# KiCad board Module_16S.kicad_pcb
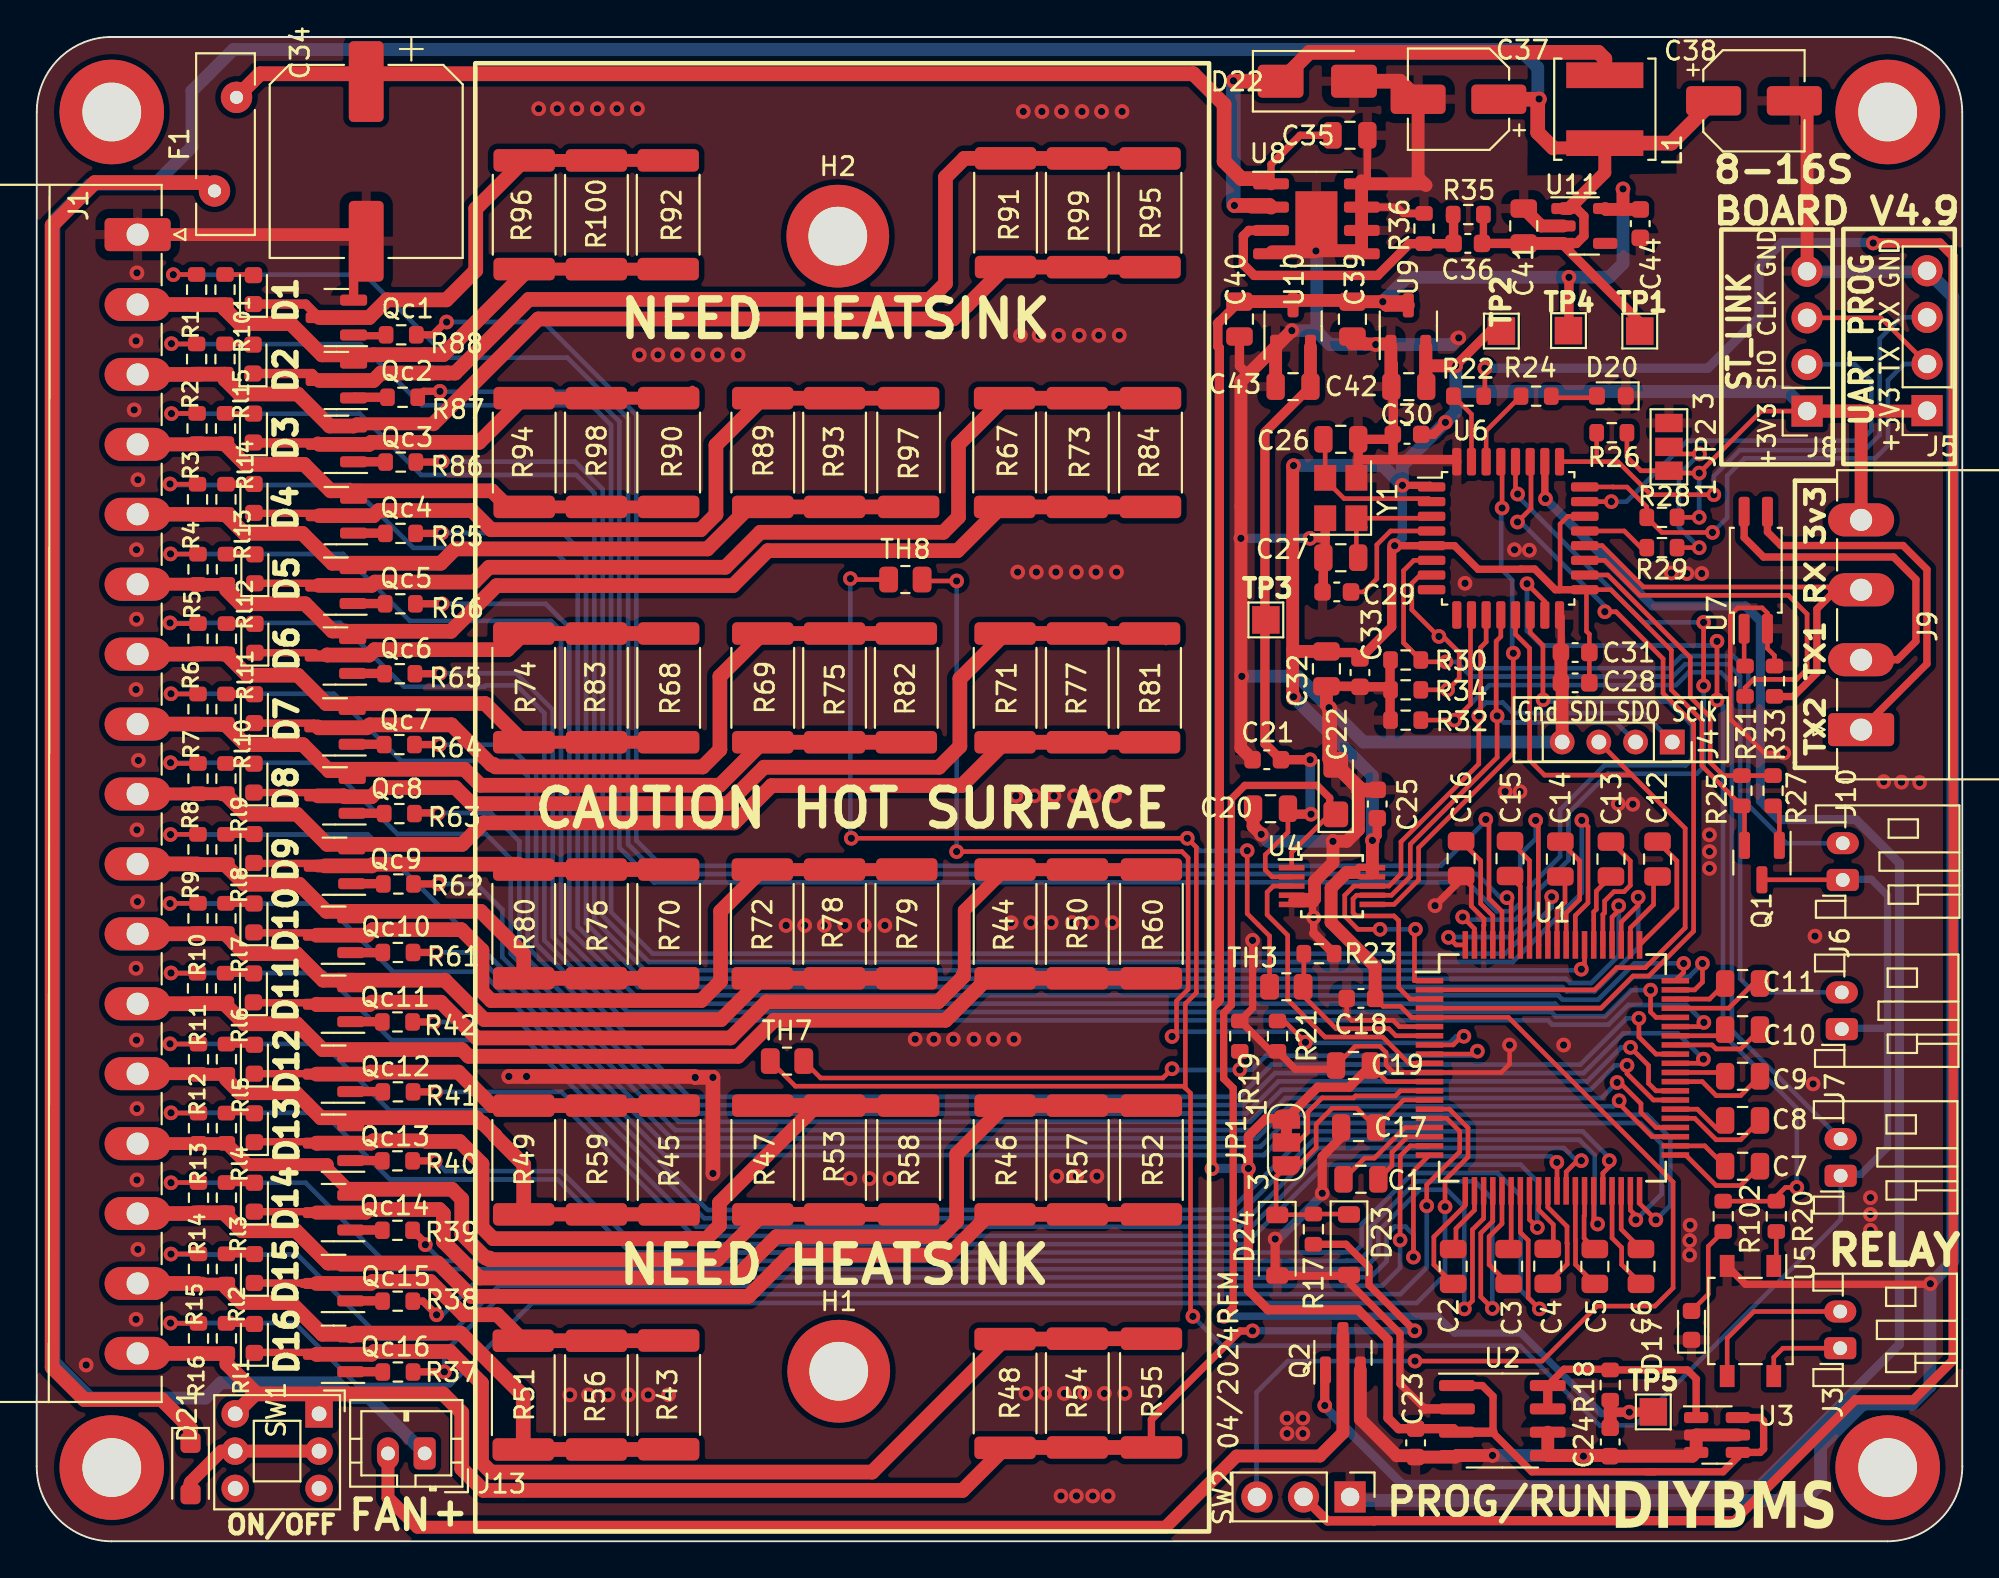
[diagram p0: board, top side]
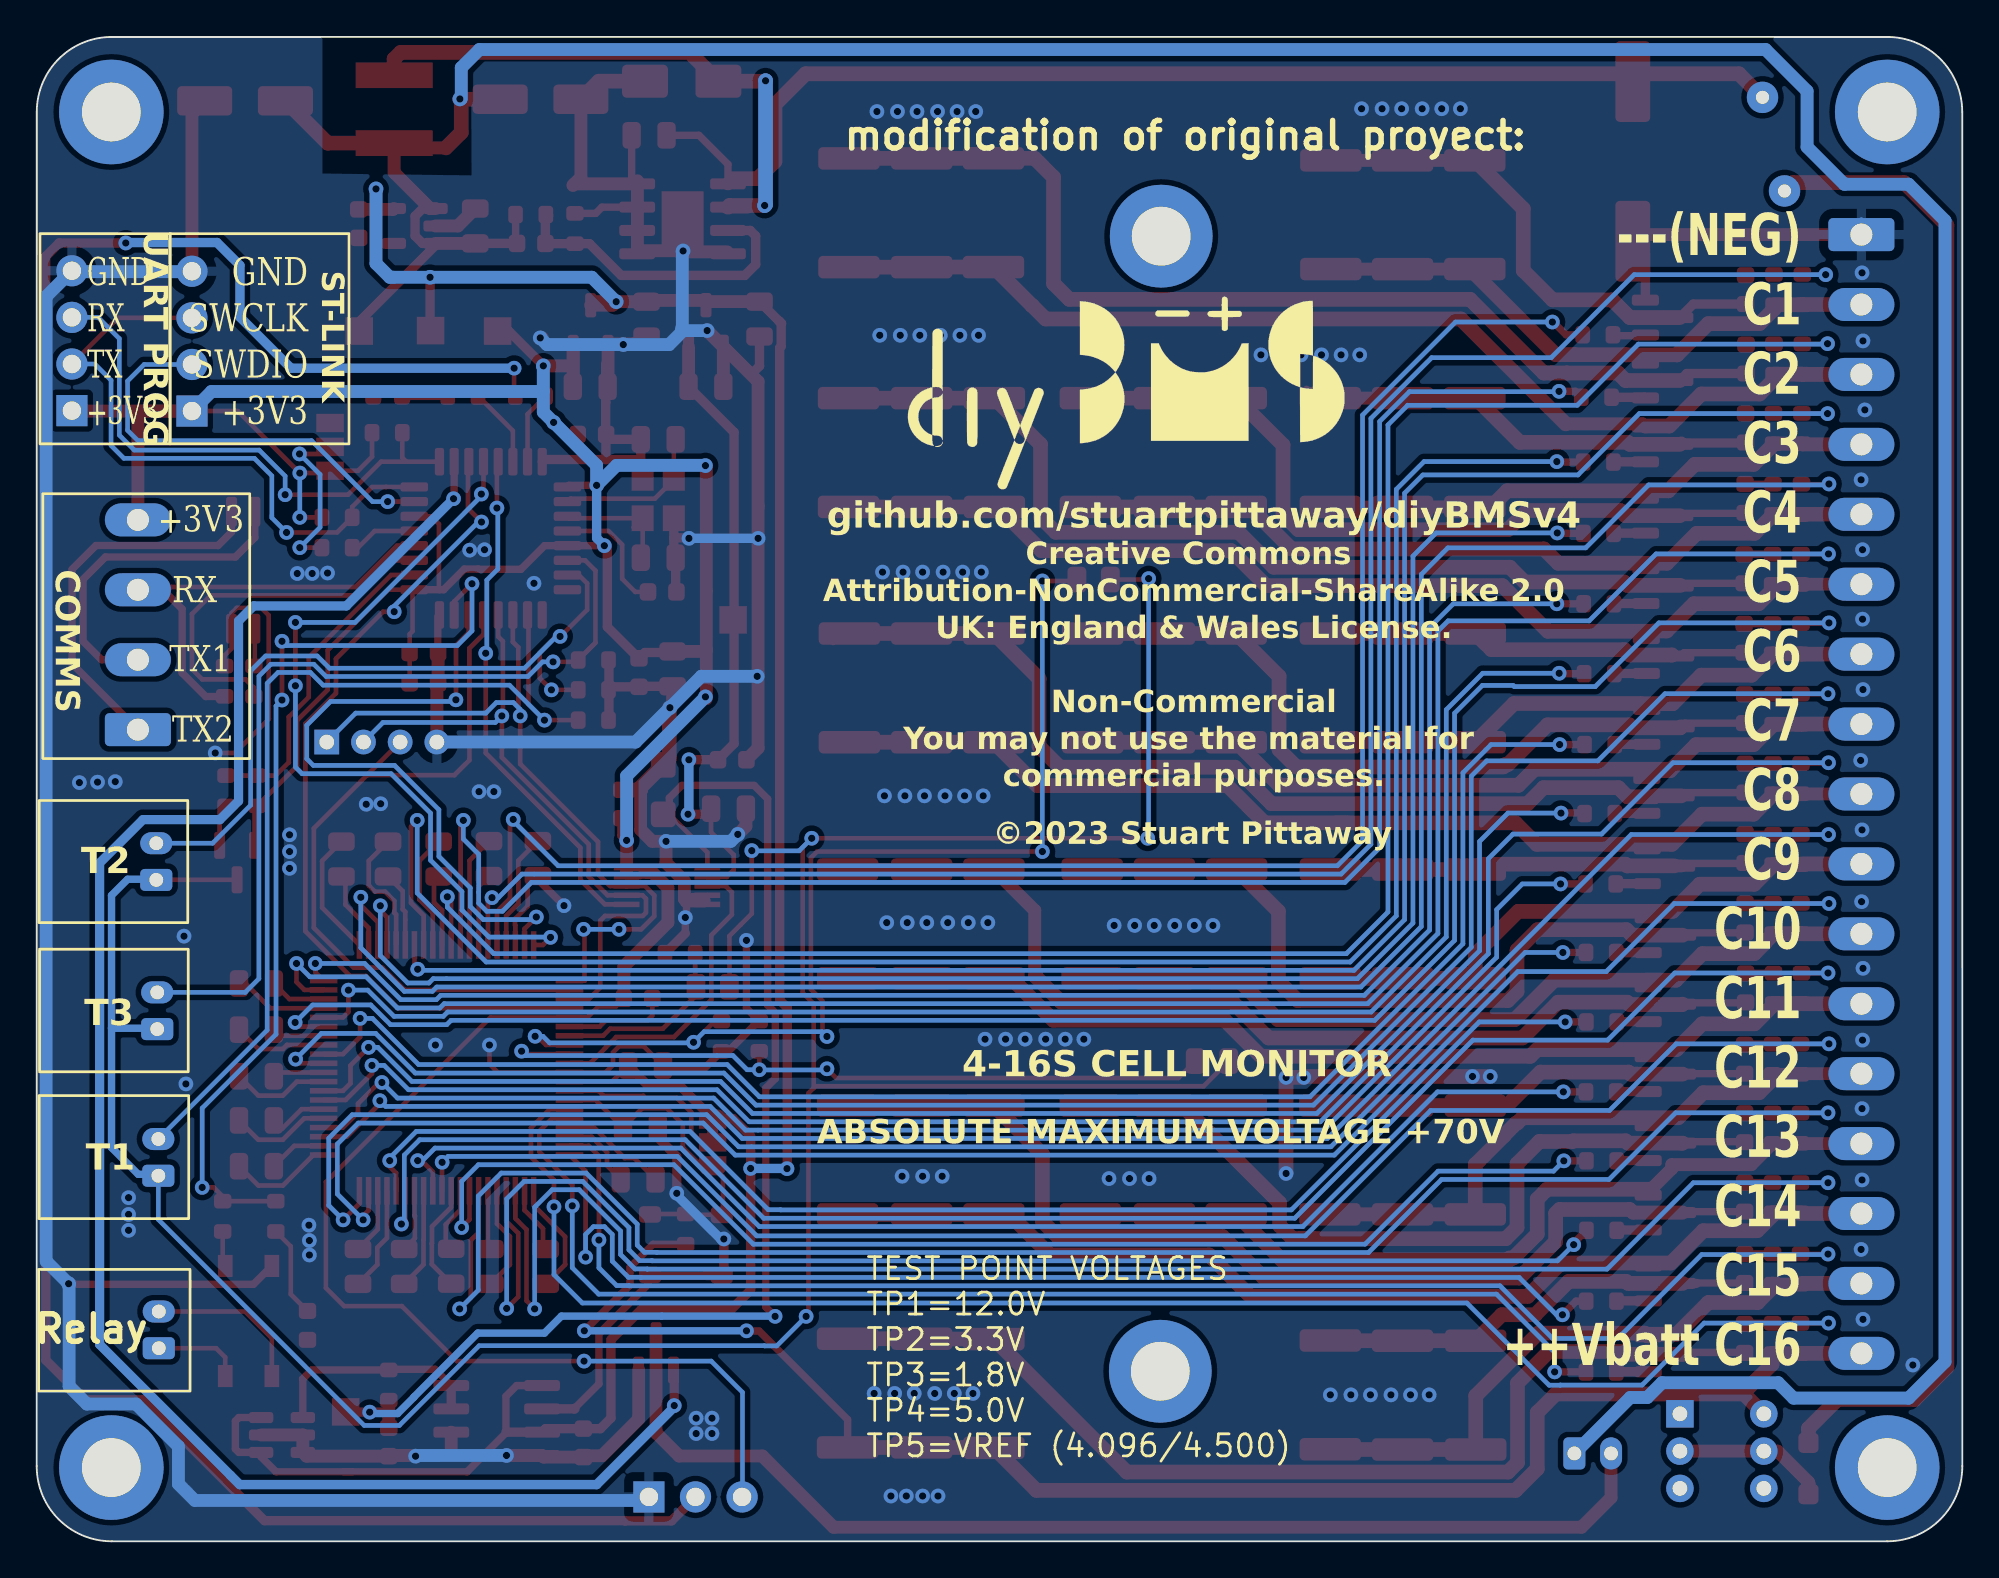
[diagram p1: board, bottom side, seen from below]

Outline 104.96 x 81.97 mm; copper layers: Top, Bottom. Coordinates in mm from the lower left corner of the outline.
Outline path: 0,77.88 0,4.09 arc(1.2,1.2) 4.09,0 100.87,0 arc(103.76,1.2) 104.96,4.09 104.96,77.88 arc(103.76,80.77) 100.87,81.97 4.09,81.97 arc(1.2,80.77) 0,77.88
Stack: Top 0.035mm / dielectric 1.51mm FR4 er 4.5 / Bottom 0.035mm

## Placement (name value [footprint] x y rotation side)
C1  1uF  [C_0805_2012Metric]  72.18 19.73 0 top
C2  1uF  [C_0805_2012Metric]  77.21 14.98 90 top
C3  1uF  [C_0805_2012Metric]  80.23 14.98 90 top
C4  1uF  [C_0805_2012Metric]  82.37 14.99 270 top
C5  1uF  [C_0805_2012Metric]  84.93 14.98 90 top
C6  1uF  [C_0805_2012Metric]  87.45 14.98 90 top
C7  1uF  [C_0805_2012Metric]  92.98 20.44 180 top
C8  1uF  [C_0805_2012Metric]  92.98 22.93 180 top
C9  1uF  [C_0805_2012Metric]  92.98 25.34 180 top
C10  1uF  [C_0805_2012Metric]  92.98 27.88 180 top
C11  1uF  [C_0805_2012Metric]  92.98 30.39 180 top
C12  1uF  [C_0805_2012Metric]  88.35 37.18 270 top
C13  1uF  [C_0805_2012Metric]  85.81 37.18 270 top
C14  1uF  [C_0805_2012Metric]  83.05 37.18 270 top
C15  1uF  [C_0805_2012Metric]  80.31 37.2 270 top
C16  1uF  [C_0805_2012Metric]  77.64 37.2 270 top
C17  100nF 100V  [C_0805_2012Metric]  72.05 22.54 180 top
C18  100nF 50V  [C_0603_1608Metric]  72.18 29.58 180 top
C19  1uF  [C_0805_2012Metric]  71.77 25.92 180 top
C20  1uF  [C_0805_2012Metric]  67.25 39.92 180 top
C21  100nF 50V  [C_0603_1608Metric]  67.05 42.59 180 top
C22  10uF tantalum  [CP_EIA-3216-18_Kemet-A]  70.81 40.96 90 top
C23  2.2uF  [C_0603_1608Metric]  75.16 5.36 90 top
C24  100pF  [C_0603_1608Metric]  85.77 5.41 90 top
C25  100nF 50V  [C_0603_1608Metric]  73.07 40.17 90 top
C26  14pF  [C_0805_2012Metric]  71.08 60.05 180 top
C27  14pF  [C_0805_2012Metric]  71.08 53.59 0 top
C28  100nF 50V  [C_0603_1608Metric]  83.86 46.78 0 top
C29  100nF 50V  [C_0603_1608Metric]  70.86 51.73 0 top
C30  100nF 50V  [C_0603_1608Metric]  74.69 60.31 0 top
C31  4.7uF  [C_0603_1608Metric]  83.86 48.43 0 top
C32  1uF  [C_0805_2012Metric]  70.3 47.54 90 top
C33  10nF  [C_0603_1608Metric]  72.13 47.34 90 top
C34  33uF 100V ±20% D10xL8.4mm  [CP_Elec_10x7.9]  17.96 75.19 270 top
C35  100nF 100V  [C_0805_2012Metric]  71.58 76.61 0 top
C36  33nF  [C_0603_1608Metric]  78.01 70.72 180 top
C37  47uF 16V  [CP_Elec_5x5.4]  77.5 78.58 180 top
C38  47uF 16V  [CP_Elec_5x5.4]  93.6 78.49 0 top
C39  1uF  [C_0805_2012Metric]  71.72 66.59 270 top
C40  1uF  [C_0805_2012Metric]  65.56 66.6 270 top
C41  1uF  [C_0805_2012Metric]  81.06 71.67 90 top
C42  1uF  [C_0805_2012Metric]  74.79 62.92 180 top
C43  1uF  [C_0805_2012Metric]  68.48 62.92 180 top
C44  2.2uF  [C_0603_1608Metric]  87.41 71.8 270 top
D1  Yellow  [LED_0603_1608Metric]  11.81 68.2 90 top
D2  Yellow  [LED_0603_1608Metric]  11.79 64.42 90 top
D3  Yellow  [LED_0603_1608Metric]  11.81 60.66 90 top
D4  Yellow  [LED_0603_1608Metric]  11.84 56.82 90 top
D5  Yellow  [LED_0603_1608Metric]  11.89 52.99 90 top
D6  Yellow  [LED_0603_1608Metric]  11.89 49.2 90 top
D7  Yellow  [LED_0603_1608Metric]  11.87 45.37 90 top
D8  Yellow  [LED_0603_1608Metric]  11.84 41.58 90 top
D9  Yellow  [LED_0603_1608Metric]  11.84 37.75 90 top
D10  Yellow  [LED_0603_1608Metric]  11.84 33.96 90 top
D11  Yellow  [LED_0603_1608Metric]  11.81 30.15 90 top
D12  Yellow  [LED_0603_1608Metric]  11.87 26.27 90 top
D13  Yellow  [LED_0603_1608Metric]  11.87 22.53 90 top
D14  Yellow  [LED_0603_1608Metric]  11.87 18.75 90 top
D15  Yellow  [LED_0603_1608Metric]  11.87 14.86 90 top
D16  Yellow  [LED_0603_1608Metric]  11.87 11.05 90 top
D17  Green  [LED_0603_1608Metric]  90.2 11.76 90 top
D20  White  [LED_0603_1608Metric]  85.83 62.41 180 top
D21  1N4002W  [D_SOD-123F]  8.39 3.97 270 top
D22  SS210  [D_SMA]  69.8 79.56 0 top
D23  68V, 500mW zener diode  [D_SOD-123]  71.53 16.16 270 top
D24  100V, 200mW Schottky diodes  [D_SOD-123]  67.62 16.13 270 top
F1  Fuse, 100mA  [Fuse_Bourns_MF-RHT100]  9.69 73.58 90 top
G***  LOGO  [diybms_logo_24x10mm]  45.57 62.56 180 bottom
H1  MountingHole  [MountingHole_3.2mm_M3_DIN965_Pad]  43.72 9.27 0 top
H2  MountingHole  [MountingHole_3.2mm_M3_DIN965_Pad]  43.67 71.11 0 top
H3  MountingHole  [MountingHole_3.2mm_M3_ISO7380_Pad]  4.09 77.88 0 top
H4  MountingHole  [MountingHole_3.2mm_M3_ISO7380_Pad]  4.09 4.02 180 top
H5  MountingHole  [MountingHole_3.2mm_M3_ISO7380_Pad]  100.89 77.88 0 top
H6  MountingHole  [MountingHole_3.2mm_M3_ISO7380_Pad#2]  100.99 4.02 0 top
J1  CELL CONNECTOR  [WJ15EDGRC-3.81-17P]  5.5 71.2 270 top
J3  TEMP2  [JST_PH_S2B-PH-K_1x02_P2.00mm_Horizontal]  98.3 10.52 90 top
J4  SPI_DEBUG  [PinSocket_1x04_P2.00mm_Vertical]  89.15 43.55 270 top
J5  UART_PROG  [PinSocket_1x04_P2.54mm_Vertical]  103.04 61.61 180 top
J6  TEMP2  [JST_PH_S2B-PH-K_1x02_P2.00mm_Horizontal]  98.39 27.91 90 top
J7  TEMP1  [JST_PH_S2B-PH-K_1x02_P2.00mm_Horizontal]  98.33 19.92 90 top
J8  ST_LINK  [PinSocket_1x04_P2.54mm_Vertical]  96.5 61.58 180 top
J9  TXRX  [PhoenixContact_MC_1,5_4-G-3.81_1x04_P3.81mm_Horizontal]  99.44 44.23 90 top
J10  TEMP3  [JST_PH_S2B-PH-K_1x02_P2.00mm_Horizontal]  98.44 36.04 90 top
J13  FAN_12V  [JST_PH_B2B-PH-K_1x02_P2.00mm_Vertical]  21.15 4.79 180 top
JP1  LDO_EN  [SolderJumper-3_P1.3mm_Bridged12_RoundedPad1.0x1.5mm_NumberLabels]  68.12 21.73 270 top
JP2  SolderJumper_3_Open  [SolderJumper-3_P1.3mm_Open_Pad1.0x1.5mm_NumberLabels]  88.97 59.63 90 top
L1  100uH  [L_Changjiang_FNR5020S]  85.47 78.03 270 top
Q1  AO3401A  [SOT-23]  94.04 36.98 270 top
Q2  SZNUD3160  [SOT-23]  71.2 10.27 90 top
Qc1  AO3400A  [SOT-23]  16.34 66.68 180 top
Qc2  AO3400A  [SOT-23]  16.34 63.25 180 top
Qc3  AO3400A  [SOT-23]  16.34 59.77 180 top
Qc4  AO3400A  [SOT-23]  16.34 55.88 180 top
Qc5  AO3400A  [SOT-23]  16.31 52.05 180 top
Qc6  AO3400A  [SOT-23]  16.29 48.24 180 top
Qc7  AO3400A  [SOT-23]  16.26 44.38 180 top
Qc8  AO3400A  [SOT-23]  16.26 40.62 180 top
Qc9  AO3400A  [SOT-23]  16.23 36.78 180 top
Qc10  AO3400A  [SOT-23]  16.18 33.02 180 top
Qc11  AO3400A  [SOT-23]  16.18 29.26 180 top
Qc12  AO3400A  [SOT-23]  16.18 25.45 180 top
Qc13  AO3400A  [SOT-23]  16.18 21.7 180 top
Qc14  AO3400A  [SOT-23]  16.18 17.91 180 top
Qc15  AO3400A  [SOT-23]  16.18 14.05 180 top
Qc16  AO3400A  [SOT-23]  16.18 10.19 180 top
R1  3K3 1%  [R_0603_1608Metric]  8.72 68.2 270 top
R2  3K3 1%  [R_0603_1608Metric]  8.72 64.42 270 top
R3  3K3 1%  [R_0603_1608Metric]  8.74 60.63 270 top
R4  3K3 1%  [R_0603_1608Metric]  8.77 56.77 270 top
R5  3K3 1%  [R_0603_1608Metric]  8.79 52.96 270 top
R6  3K3 1%  [R_0603_1608Metric]  8.79 49.18 270 top
R7  3K3 1%  [R_0603_1608Metric]  8.79 45.34 270 top
R8  3K3 1%  [R_0603_1608Metric]  8.79 41.56 270 top
R9  3K3 1%  [R_0603_1608Metric]  8.79 37.7 270 top
R10  3K3 1%  [R_0603_1608Metric]  8.79 33.94 270 top
R11  3K3 1%  [R_0603_1608Metric]  8.77 30.13 270 top
R12  3K3 1%  [R_0603_1608Metric]  8.82 26.27 270 top
R13  3K3 1%  [R_0603_1608Metric]  8.82 22.51 270 top
R14  3K3 1%  [R_0603_1608Metric]  8.82 18.72 270 top
R15  3K3 1%  [R_0603_1608Metric]  8.82 14.84 270 top
R16  3K3 1%  [R_0603_1608Metric]  8.82 11.05 270 top
R17  100R  [R_0603_1608Metric]  69.59 17.01 270 top
R18  100R  [R_0603_1608Metric]  85.77 8.51 270 top
R19  10K 1%  [R_0603_1608Metric]  65.58 27.52 270 top
R20  330R  [R_0603_1608Metric]  94.82 17.71 270 top
R21  10K 1%  [R_0603_1608Metric]  67.63 27.52 90 top
R22  10K 1%  [R_0603_1608Metric]  78.05 62.4 180 top
R23  10K 1%  [R_0603_1608Metric]  69.89 32.02 180 top
R24  3K3 1%  [R_0603_1608Metric]  81.73 62.4 180 top
R25  10K 1%  [R_0603_1608Metric]  92.95 40.9 270 top
R26  100K  [R_0603_1608Metric]  85.86 60.41 0 top
R27  330R  [R_0603_1608Metric]  94.64 40.9 270 top
R28  100K  [R_0603_1608Metric]  88.59 55.79 0 top
R29  10K 1%  [R_0603_1608Metric]  88.59 54.14 0 top
R30  10K 1%  [R_0603_1608Metric]  74.62 48.02 180 top
R31  330R  [R_0603_1608Metric]  93.12 46.87 90 top
R32  10K 1%  [R_0603_1608Metric]  74.62 44.74 180 top
R33  2K2  [R_0603_1608Metric]  94.72 46.87 90 top
R34  10K 1%  [R_0603_1608Metric]  74.62 46.4 180 top
R35  43K 1%  [R_0603_1608Metric]  78.03 72.29 180 top
R36  4.99kΩ 1%  [R_0603_1608Metric]  75.62 71.53 90 top
R37  100R  [R_0603_1608Metric]  19.69 9.22 180 top
R38  100R  [R_0603_1608Metric]  19.68 13.08 180 top
R39  100R  [R_0603_1608Metric]  19.66 16.95 180 top
R40  100R  [R_0603_1608Metric]  19.66 20.73 180 top
R41  100R  [R_0603_1608Metric]  19.69 24.49 180 top
R42  100R  [R_0603_1608Metric]  19.66 28.3 180 top
R43  7R5 2W  [R_2512_6332Metric]  34.45 7.98 270 top
R44  7R5 2W  [R_2512_6332Metric]  52.79 33.64 270 top
R45  7R5 2W  [R_2512_6332Metric]  34.47 20.78 270 top
R46  7R5 2W  [R_2512_6332Metric]  52.79 20.78 270 top
R47  7R5 2W  [R_2512_6332Metric]  39.58 20.78 270 top
R48  7R5 2W  [R_2512_6332Metric]  52.79 8.06 270 top
R49  7R5 2W  [R_2512_6332Metric]  26.55 20.78 270 top
R50  7R5 2W  [R_2512_6332Metric]  56.72 33.64 270 top
R51  7R5 2W  [R_2512_6332Metric]  26.52 7.97 270 top
R52  7R5 2W  [R_2512_6332Metric]  60.76 20.78 270 top
R53  7R5 2W  [R_2512_6332Metric]  43.49 20.78 270 top
R54  7R5 2W  [R_2512_6332Metric]  56.72 8.08 270 top
R55  7R5 2W  [R_2512_6332Metric]  60.76 8.08 270 top
R56  7R5 2W  [R_2512_6332Metric]  30.51 7.97 270 top
R57  7R5 2W  [R_2512_6332Metric]  56.72 20.78 270 top
R58  7R5 2W  [R_2512_6332Metric]  47.53 20.78 270 top
R59  7R5 2W  [R_2512_6332Metric]  30.51 20.78 270 top
R60  7R5 2W  [R_2512_6332Metric]  60.76 33.64 270 top
R61  100R  [R_0603_1608Metric]  19.69 32.08 180 top
R62  100R  [R_0603_1608Metric]  19.71 35.82 180 top
R63  100R  [R_0603_1608Metric]  19.77 39.65 180 top
R64  100R  [R_0603_1608Metric]  19.77 43.41 180 top
R65  100R  [R_0603_1608Metric]  19.79 47.27 180 top
R66  100R  [R_0603_1608Metric]  19.82 51.08 180 top
R67  7R5 2W  [R_2512_6332Metric]  52.76 59.32 270 top
R68  7R5 2W  [R_2512_6332Metric]  34.45 46.5 270 top
R69  7R5 2W  [R_2512_6332Metric]  39.58 46.5 270 top
R70  7R5 2W  [R_2512_6332Metric]  34.45 33.64 270 top
R71  7R5 2W  [R_2512_6332Metric]  52.79 46.5 270 top
R72  7R5 2W  [R_2512_6332Metric]  39.55 33.64 270 top
R73  7R5 2W  [R_2512_6332Metric]  56.72 59.32 270 top
R74  7R5 2W  [R_2512_6332Metric]  26.55 46.5 270 top
R75  7R5 2W  [R_2512_6332Metric]  43.49 46.5 270 top
R76  7R5 2W  [R_2512_6332Metric]  30.51 33.64 270 top
R77  7R5 2W  [R_2512_6332Metric]  56.72 46.5 270 top
R78  7R5 2W  [R_2512_6332Metric]  43.49 33.64 270 top
R79  7R5 2W  [R_2512_6332Metric]  47.43 33.64 270 top
R80  7R5 2W  [R_2512_6332Metric]  26.55 33.64 270 top
R81  7R5 2W  [R_2512_6332Metric]  60.66 46.5 270 top
R82  7R5 2W  [R_2512_6332Metric]  47.4 46.5 270 top
R83  7R5 2W  [R_2512_6332Metric]  30.51 46.5 270 top
R84  7R5 2W  [R_2512_6332Metric]  60.71 59.32 270 top
R85  100R  [R_0603_1608Metric]  19.83 54.92 180 top
R86  100R  [R_0603_1608Metric]  19.84 58.8 180 top
R87  100R  [R_0603_1608Metric]  19.94 62.34 180 top
R88  100R  [R_0603_1608Metric]  19.87 65.74 180 top
R89  7R5 2W  [R_2512_6332Metric]  39.58 59.32 270 top
R90  7R5 2W  [R_2512_6332Metric]  34.45 59.32 270 top
R91  7R5 2W  [R_2512_6332Metric]  52.81 72.39 270 top
R92  7R5 2W  [R_2512_6332Metric]  34.42 72.28 270 top
R93  7R5 2W  [R_2512_6332Metric]  43.49 59.32 270 top
R94  7R5 2W  [R_2512_6332Metric]  26.57 59.32 270 top
R95  7R5 2W  [R_2512_6332Metric]  60.68 72.39 270 top
R96  7R5 2W  [R_2512_6332Metric]  26.57 72.28 270 top
R97  7R5 2W  [R_2512_6332Metric]  47.53 59.32 270 top
R98  7R5 2W  [R_2512_6332Metric]  30.51 59.32 270 top
R99  7R5 2W  [R_2512_6332Metric]  56.72 72.39 270 top
R100  7R5 2W  [R_2512_6332Metric]  30.51 72.28 270 top
R101  330R  [R_0603_1608Metric]  10.27 68.2 90 top
R102  3K3 1%  [R_0603_1608Metric]  91.93 17.71 90 top
Rl1  330R  [R_0603_1608Metric]  10.34 11.05 90 top
Rl2  330R  [R_0603_1608Metric]  10.34 14.84 90 top
Rl3  330R  [R_0603_1608Metric]  10.34 18.72 90 top
Rl4  330R  [R_0603_1608Metric]  10.34 22.51 90 top
Rl5  330R  [R_0603_1608Metric]  10.34 26.27 90 top
Rl6  330R  [R_0603_1608Metric]  10.29 30.13 90 top
Rl7  330R  [R_0603_1608Metric]  10.32 33.94 90 top
Rl8  330R  [R_0603_1608Metric]  10.32 37.7 90 top
Rl9  330R  [R_0603_1608Metric]  10.32 41.56 90 top
Rl10  330R  [R_0603_1608Metric]  10.32 45.34 90 top
Rl11  330R  [R_0603_1608Metric]  10.34 49.18 90 top
Rl12  330R  [R_0603_1608Metric]  10.34 52.96 90 top
Rl13  330R  [R_0603_1608Metric]  10.32 56.77 90 top
Rl14  330R  [R_0603_1608Metric]  10.29 60.63 90 top
Rl15  330R  [R_0603_1608Metric]  10.27 64.42 90 top
SW1  SW_DPST  [SW_Push_2P2T_Toggle_G_swicht]  15.39 6.95 270 top
SW2  Boot_Mode  [PinHeader_1x03_P2.54mm_Vertical]  71.59 2.42 270 top
TH3  10K NTC  [R_0805_2012Metric]  68.12 30.22 0 top
TH7  10K NTC  [R_0805_2012Metric]  40.9 26.17 0 top
TH8  10K NTC  [R_0805_2012Metric]  47.35 52.4 0 top
TP1  TEST_12V  [TestPoint_Pad_1.5x1.5mm]  87.38 65.94 180 top
TP2  TEST_3V3  [TestPoint_Pad_1.5x1.5mm]  79.84 65.94 270 top
TP3  TEST_1V8  [TestPoint_Pad_1.5x1.5mm]  67 50.21 0 top
TP4  TEST_5V  [TestPoint_Pad_1.5x1.5mm]  83.49 65.97 180 top
TP5  TEST_4096  [TestPoint_Pad_1.5x1.5mm]  88.12 7.05 0 top
U1  MAX14921ECS+T  [TQFP-80_12x12mm_P0.5mm]  82.62 25.8 0 top
U2  MCP1501-40xSN  [SOIC-8_3.9x4.9mm_P1.27mm]  79.89 6.58 0 top
U3  MCP1502T-45E/CHY  [SOT-23-6]  91.59 5.79 0 top
U4  MCP33151-05-E/MS  [MSOP-10_3x3mm_P0.5mm]  70.61 35.7 0 top
U5  RELAY1  [SO-4_4.4x4.3mm_P2.54mm]  93.41 12 270 top
U6  STM32F030K6Tx  [LQFP-32_7x7mm_P0.8mm]  80.21 54.65 0 top
U7  EL3H7(B)(TA)-G  [SOP-4_4.4x2.6mm_P1.27mm]  93.7 52.91 90 top
U8  XL7005A  [SOIC-8-1EP_3.9x4.9mm_P1.27mm_EP2.29x3mm]  69.76 72.06 0 top
U9  XC6206-3.3V  [SOT-23-3]  74.77 66.21 90 top
U10  XC6206-1.8NR  [SOT-23-3]  68.48 66.22 90 top
U11  AP2204K-5.0TRG1  [SOT-23-5]  84.36 71.67 0 top
Y1  8MHZ  [Crystal_SMD_3225-4Pin_3.2x2.5mm]  71.08 56.84 90 top

## Library data of the parts
C1-C16 C39-C43 = -: Description: Unpolarized capacitor, small symbol; LCSCStockCode: C28323; PartNumber: CL21B105KBFNNNE
C17 = -: Description: Unpolarized capacitor; LCSCStockCode: C28233; PartNumber: CL21B104KCFNNNE
C18 C21 C25 C28-C30 = -: Description: Unpolarized capacitor; LCSCStockCode: C14663; PartNumber: CC0603KRX7R9BB104
C19 C20 C32 = -: Description: Unpolarized capacitor; LCSCStockCode: C28323; PartNumber: CL21B105KBFNNNE
C22 = -: Description: Polarized capacitor; LCSCStockCode: C7171; PartNumber: TAJA106K016RNJ
C23 = -: Description: Unpolarized capacitor; LCSCStockCode: C23630; PartNumber: CL10A225KO8NNNC
C24 = -: Description: Unpolarized capacitor; LCSCStockCode: C14858; PartNumber: CL10C101JB8NNNC
C26 C27 = -: Description: Unpolarized capacitor, small symbol; LCSCStockCode: C519919; PartNumber: CC0805JRNPO9BN140
C31 = -: Description: Unpolarized capacitor; LCSCStockCode: C19666; PartNumber: CL10A475KO8NNNC
C33 = -: Description: Unpolarized capacitor; LCSCStockCode: C57112; PartNumber: 0603B103K500NT
C34 = -: Description: Polarized capacitor; LCSCStockCode: C486954; PartNumber: VK7E0842A330MV
C35 = -: Description: Unpolarized capacitor, small symbol; LCSCStockCode: C28233; PartNumber: CL21B104KCFNNNE
C36 = -: Description: Unpolarized capacitor, small symbol; LCSCStockCode: C113810; PartNumber: CC0603KRX7R8BB333
C37 C38 = -: Description: Polarized capacitor; LCSCStockCode: C3337; PartNumber: RVT1C470M0505
C44 = -: Description: Unpolarized capacitor, small symbol; LCSCStockCode: C23630; PartNumber: CL10A225KO8NNNC
D1-D16 = -: Description: Light emitting diode, small symbol; LCSCStockCode: C72038; PartNumber: 19-213/Y2C-CQ2R2L/3T(CY)
D17 = -: Description: Light emitting diode; LCSCStockCode: C2286
D20 = -: Description: Light emitting diode; LCSCStockCode: C2290
D21 = -: Description: 1000V 1A General Purpose Rectifier Diode, DO-41; LCSCStockCode: C169542
D22 = -: Description: Schottky diode; LCSCStockCode: C432298
D23 = -: Description: Diode; LCSCStockCode: C242416; PartNumber: MMSZ5266BT1G
D24 = -: Description: Diode; LCSCStockCode: C83152; PartNumber: BAT46W-7-F
F1 = -: Description: Resettable fuse, polymeric positive temperature coefficient, small symbol; LCSCStockCode: C2680606; PartNumber: JK250-100U
H1-H6 = -: Description: Mounting Hole without connection
J1 = -: Description: Generic connector, single row, 01x17, script generated (kicad-library-utils/schlib/autogen/connector/); LCSCStockCode: C489980; PartNumber: WJ15EDGRC-3.81-17P
J3 J6 J7 J10 J13 = -: Description: Generic connector, single row, 01x02, script generated (kicad-library-utils/schlib/autogen/connector/); LCSCStockCode: C265016; PartNumber: S2B-PH-K(LF)(SN)
J4 = -: Description: Generic connector, single row, 01x04, script generated; LCSCStockCode: C2718488; PartNumber: C2718488
J5 J8 = -: Description: Generic connector, single row, 01x04, script generated; LCSCStockCode: C2897386; PartNumber: PM254-1-04-W-8.5
J9 = -: Description: Generic connector, single row, 01x04, script generated; LCSCStockCode: C7245; PartNumber: WJ15EDGRC-3.81-4P
JP1 = -: Description: 3-pole Solder Jumper, pins 1+2 closed/bridged
JP2 = -: Description: Solder Jumper, 3-pole, open
L1 = -: Description: Inductor; LCSCStockCode: C135286; PartNumber: SMNR5020-101MT
Q1 = -: Description: -4.0A Id, -30V Vds, P-Channel MOSFET, SOT-23; LCSCStockCode: C15127
Q2 = -: Description: Industrial Inductive Load Driver; LCSCStockCode: C894717; PartNumber: SZNUD3160LT1G
Qc1-Qc16 = -: Description: N-MOSFET transistor, gate/source/drain; LCSCStockCode: C347475
R1-R16 R24 R102 = -: Description: Resistor, small symbol; LCSCStockCode: C22978; PartNumber: 0603WAF3301T5E
R17 R18 R37-R42 R61-R66 R85-R88 = -: Description: Resistor; LCSCStockCode: C22775; PartNumber: 0603WAF1000T5E
R19 R21 R23 R25 = -: Description: Resistor; LCSCStockCode: C25804; PartNumber: 0603WAF1002T5E
R20 R31 R101 Rl1-Rl15 = -: Description: Resistor, small symbol; LCSCStockCode: C23138; PartNumber: 0603WAF3300T5E
R22 R29 R30 R32 R34 = -: Description: Resistor, small symbol; LCSCStockCode: C25804; PartNumber: 0603WAF1002T5E
R26 R28 = -: Description: Resistor, small symbol; LCSCStockCode: C25803; PartNumber: 0603WAF1003T5E
R27 = -: Description: Resistor; LCSCStockCode: C23138; PartNumber: 0603WAF3300T5E
R33 = -: Description: Resistor, small symbol; LCSCStockCode: C4190; PartNumber: 0603WAF2201T5E
R35 = -: Description: Resistor, small symbol; LCSCStockCode: C23172; PartNumber: 0603WAF4302T5E
R36 = -: Description: Resistor, small symbol; LCSCStockCode: C23046; PartNumber: 0603WAF4991T5E
R43-R60 R67-R84 R89-R100 = -: Description: Resistor; LCSCStockCode: C6170482; PartNumber: RC2512JK-7W7R5L
SW1 = -: Description: Double Pole Single Throw (DPST) Switch; LCSCStockCode: C5362622; lcsc_code: C5362622
SW2 = -: Description: Switch, dual pole double throw, separate symbols; LCSCStockCode: C2906280
TH3 TH7 TH8 = -: Description: Temperature dependent resistor, negative temperature coefficient; LCSCStockCode: C51597; PartNumber: CMFB103F3950FANT
TP1-TP5 = -: Description: test point (alternative flag-style design)
U1 = -: Description: battery measurement analog front-end; LCSCStockCode: C2932577
U2 = -: Description: 4.096V, 0.1%, 20mA, Precision Voltage Reference, SOIC-8; LCSCStockCode: C1575589; PartNumber: MCP1501-40E/SN
U3 = -: Description: Voltage Reference Fixed 4.5V
U4 = -: Description: 14-bit Analog-to-Digital Converter (ADC); LCSCStockCode: C635984